# Altium PCB RTM_SFP.PcbDoc (part 11 of 17) (continued)
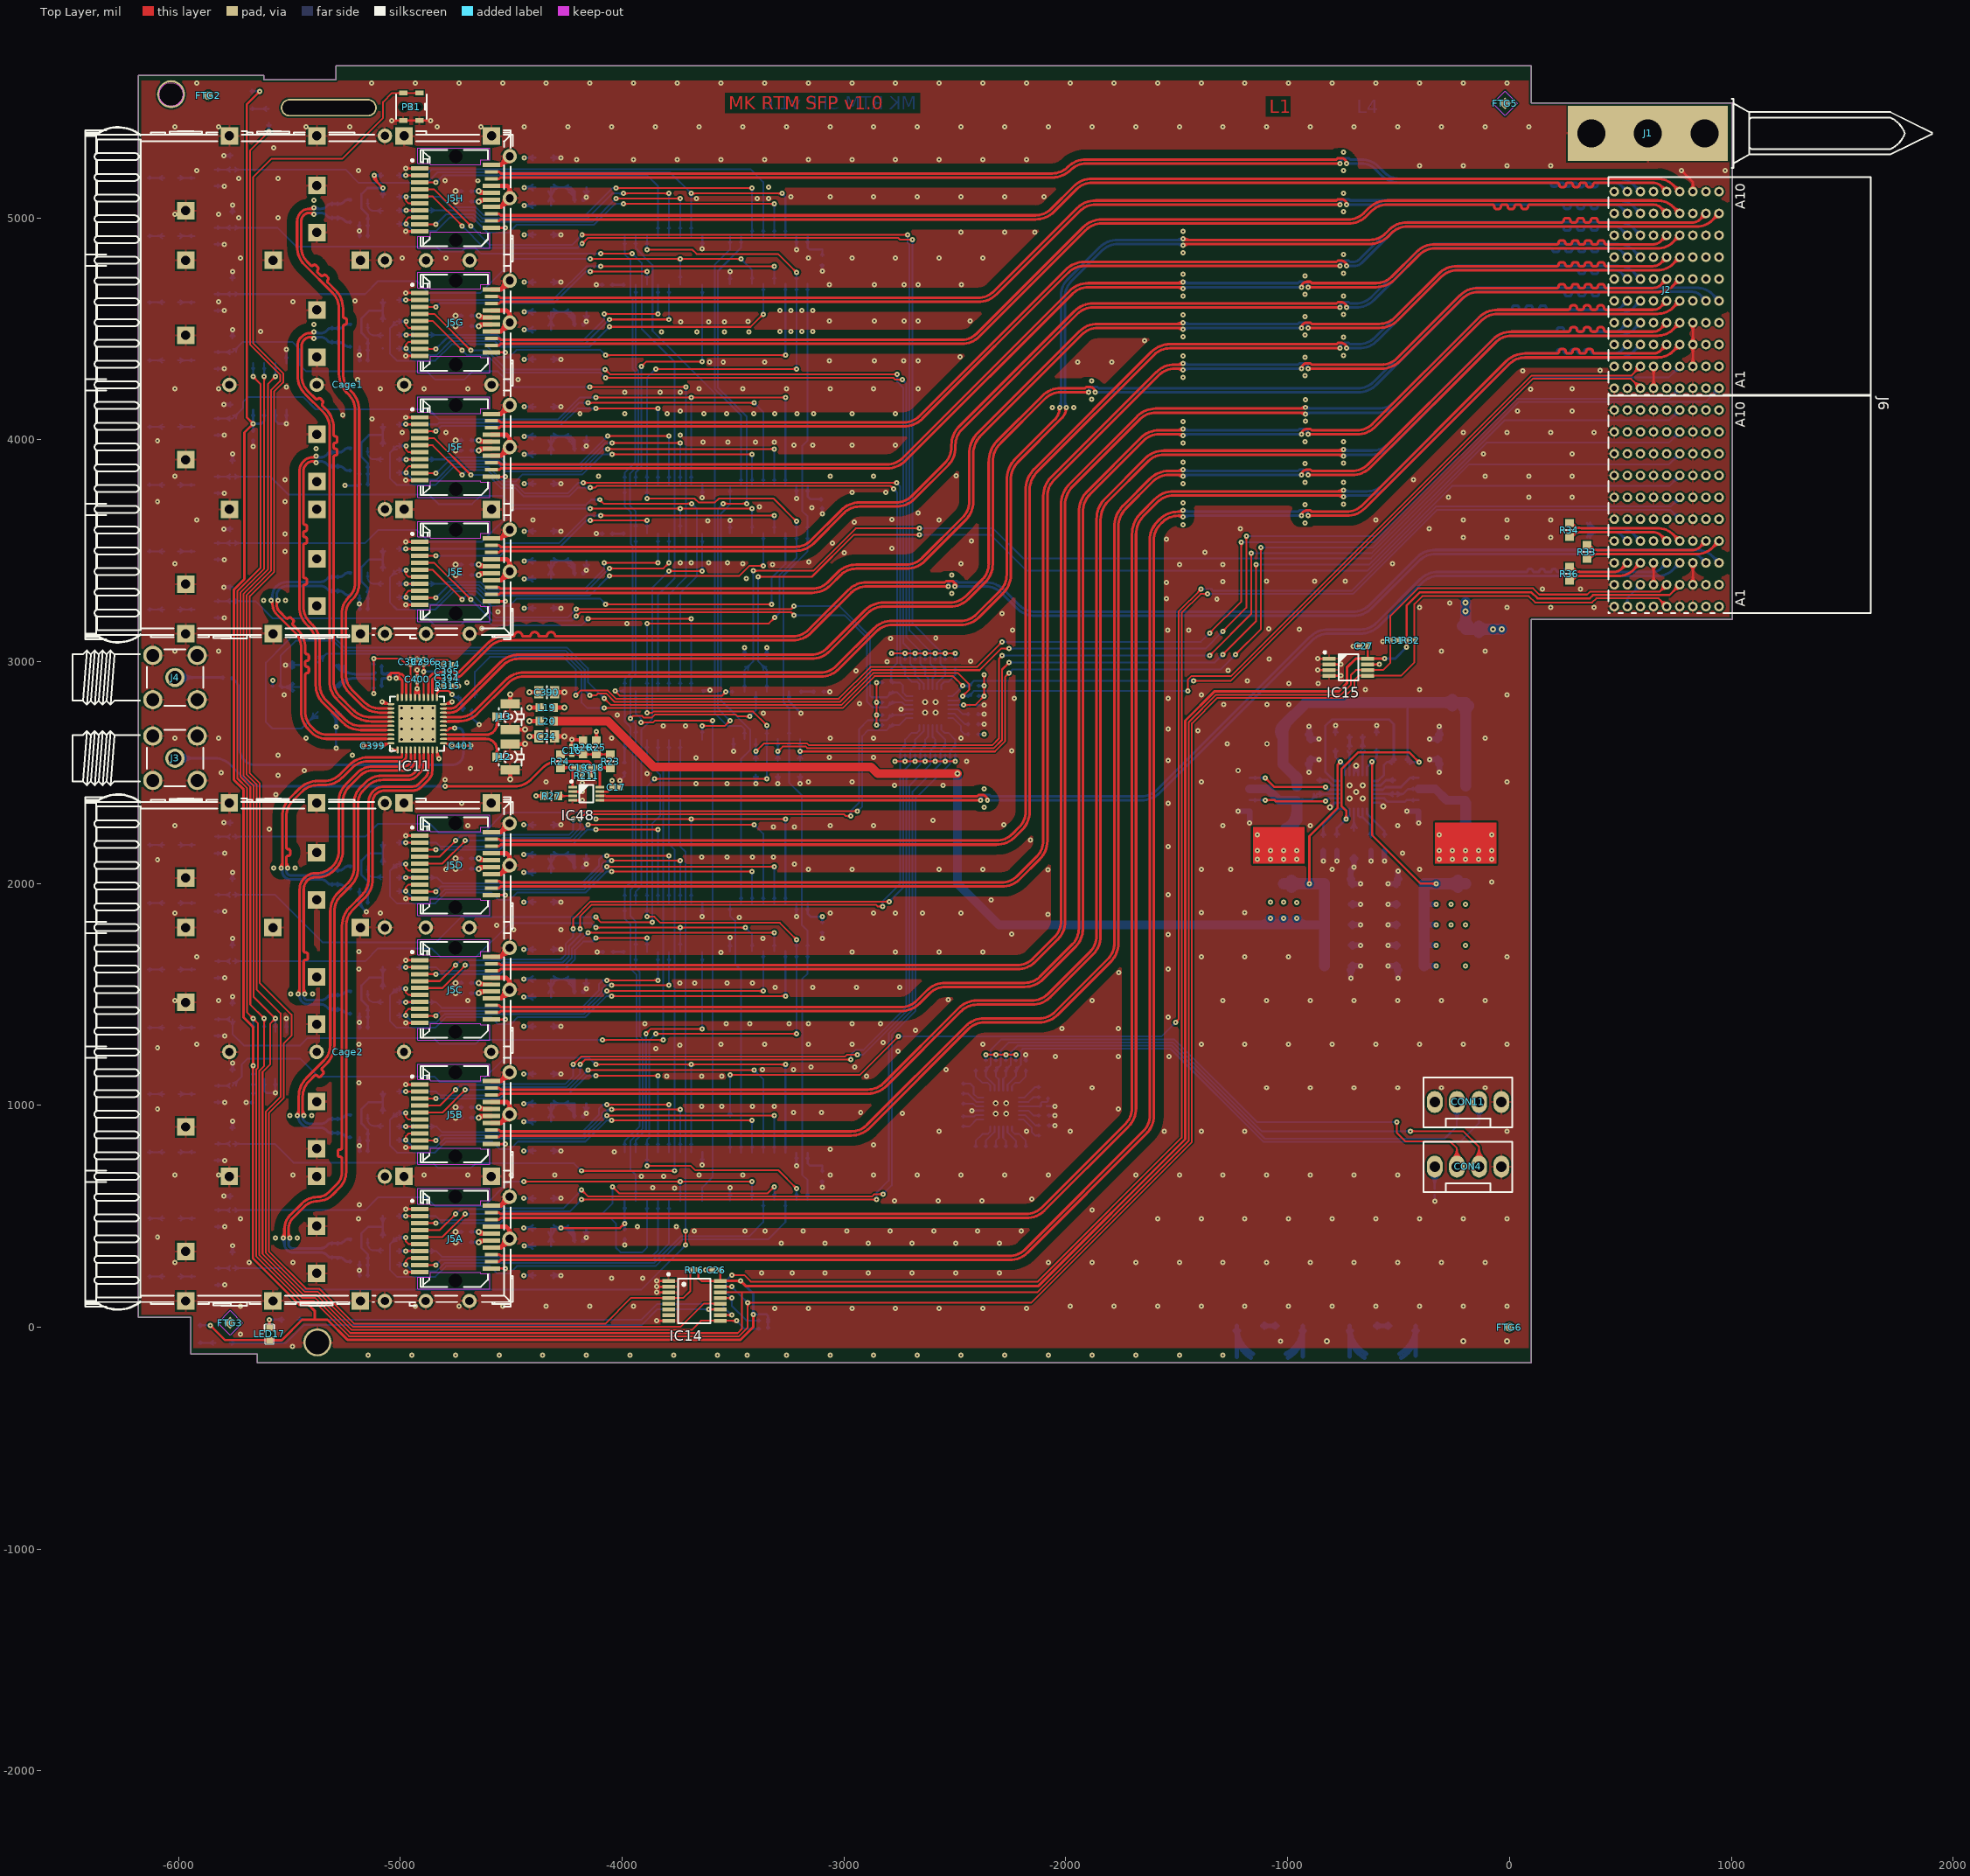
[diagram p0: Top Layer view]
## Nets (pads, with @x,y where several pads share a name; then routed paths per layer and width w, separated by ;. In a path a pad name is that pad's centre, name@x,y a point inside that pad or via, vN(x,y) a via of type N, cw(c..) or ccw(c..) an arc to the next point about the centre after c; other vN are vias at no path point) (continued)
  Bottom Layer w12: v1(-1471.73,4498.43) -1465.92,4504.24 v1@-943.61,4504.24 ; v1@-1467.86,4502.76 ccw(c-1460.65,4510.83) -1455.24,4501.46 ; v1@-1467.86,4502.76 ccw(c-1460.65,4510.83) -1455.24,4501.46 ; v1@-1467.86,4502.76 ccw(c-1460.65,4510.83) -1455.24,4501.46 ; v1@-1467.62,4494.32 cw(c-1443.67,4470.37) -1443.67,4504.24 ; v1@-1467.62,4494.32 cw(c-1443.67,4470.37) -1443.67,4504.24 ; v1@-1467.62,4494.32 cw(c-1443.67,4470.37) -1443.67,4504.24 ; -951.82,4504.24 cw(c-951.82,4490.21) v1@-941.9,4500.13 ; -951.82,4504.24 ccw(c-951.82,4518.27) v1@-941.9,4508.35 ; -951.82,4504.24 cw(c-951.82,4490.21) v1@-941.9,4500.13 ; -951.82,4504.24 ccw(c-951.82,4518.27) v1@-941.9,4508.35 ; -951.82,4504.24 ccw(c-951.82,4518.27) v1@-941.9,4508.35 ; -951.82,4504.24 cw(c-951.82,4490.21) v1@-941.9,4500.13
SFP4RX_P: J2.C7 J5E.13 | length 6627.6
  Top Layer w12: J5E.13@-4589.58,3334.9 -4553.96,3334.9 -4547.21,3328.15 -3143.98,3328.15 ccw(c-3143.98,3428.15) -3073.27,3357.44 -3027.96,3402.75 cw(c-2945.52,3320.32) -2945.52,3436.9 -2719.48,3436.9 ccw(c-2719.48,3536.9) -2648.77,3466.19 -2465.01,3649.95 ccw(c-2535.72,3720.67) -2435.72,3720.67 -2435.72,3936.48 cw(c-2302.17,3936.48) -2396.6,4030.92 -1939.72,4487.8 cw(c-1856.57,4404.65) -1856.57,4522.24 -1477.54,4522.24 v1(-1471.73,4528.05) ; v1(-907.87,4504.24) -586.59,4504.24 ccw(c-586.59,4622.77) -502.78,4538.95 -306.74,4734.99 cw(c-236.03,4664.28) -236.03,4764.28 667.74,4764.28 ccw(c667.74,4864.28) 738.45,4793.57 J2.C7@767.72,4822.83 ; -1499.79,4522.24 ccw(c-1499.79,4556.11) v1@-1475.84,4532.16 ; -1499.79,4522.24 ccw(c-1499.79,4556.11) v1@-1475.84,4532.16 ; -1499.79,4522.24 ccw(c-1499.79,4556.11) v1@-1475.84,4532.16 ; -1488.21,4525.01 cw(c-1482.8,4515.64) v1@-1475.6,4523.71 ; -1488.21,4525.01 cw(c-1482.8,4515.64) v1@-1475.6,4523.71 ; -1488.21,4525.01 cw(c-1482.8,4515.64) v1@-1475.6,4523.71 ; v1@-903.76,4500.13 cw(c-893.84,4490.21) -893.84,4504.24 ; v1@-903.76,4500.13 cw(c-893.84,4490.21) -893.84,4504.24 ; v1@-903.76,4500.13 cw(c-893.84,4490.21) -893.84,4504.24 ; v1@-903.76,4508.35 ccw(c-893.84,4518.27) -893.84,4504.24 ; v1@-903.76,4508.35 ccw(c-893.84,4518.27) -893.84,4504.24 ; v1@-903.76,4508.35 ccw(c-893.84,4518.27) -893.84,4504.24 ; 740.99,4796.11 cw(c767.72,4769.39) 767.72,4807.18 ccw(c767.72,4769.39) 740.99,4796.11 ; 740.99,4796.11 ccw(c714.27,4822.83) 752.06,4822.83 cw(c714.27,4822.83) 740.99,4796.11
  Bottom Layer w12: v1(-1471.73,4528.05) -1465.92,4522.24 -953.47,4522.24 -947.66,4528.05 -931.68,4528.05 cw(c-931.68,4504.24) v1(-907.87,4504.24) ; v1@-1467.86,4523.71 cw(c-1460.65,4515.64) -1455.24,4525.01 ; v1@-1467.86,4523.71 cw(c-1460.65,4515.64) -1455.24,4525.01 ; v1@-1467.86,4523.71 cw(c-1460.65,4515.64) -1455.24,4525.01 ; v1@-1467.62,4532.16 ccw(c-1443.67,4556.11) -1443.67,4522.24 ; v1@-1467.62,4532.16 ccw(c-1443.67,4556.11) -1443.67,4522.24 ; v1@-1467.62,4532.16 ccw(c-1443.67,4556.11) -1443.67,4522.24 ; v1@-912.61,4507.61 ccw(c-920.88,4513.51) -911.06,4516.14 ; v1@-912.61,4507.61 ccw(c-920.88,4513.51) -911.06,4516.14 ; v1@-912.61,4507.61 ccw(c-920.88,4513.51) -911.06,4516.14 ; -911.06,4516.14 ccw(c-901.25,4518.77) v1@-905.46,4509.52 ; -911.06,4516.14 ccw(c-901.25,4518.77) v1@-905.46,4509.52 ; -911.06,4516.14 ccw(c-901.25,4518.77) v1@-905.46,4509.52
SFP4TX_N: J2.F7 J5E.19 | length 6046
  Top Layer w12: J5E.19@-4589.58,3523.87 -4553.96,3523.87 -4547.21,3517.13 -3219.44,3517.13 ccw(c-3219.44,3617.13) -3148.73,3546.42 -3012.38,3682.76 cw(c-2929.88,3600.26) -2929.88,3716.93 -2765.3,3716.93 ccw(c-2765.3,3816.93) -2694.59,3746.22 -2545.01,3895.8 ccw(c-2615.72,3966.52) -2515.72,3966.52 -2515.72,3976.13 cw(c-2397.88,3976.13) -2481.2,4059.45 -1960.98,4579.67 cw(c-1877.69,4496.39) -1877.69,4614.17 -779.94,4614.17 -774.24,4619.87 -758.27,4619.87 cw(c-758.27,4596.06) v1(-734.46,4596.06) ; v1@-739.19,4599.44 ccw(c-747.47,4605.34) -737.65,4607.97 ; v1@-739.19,4599.44 ccw(c-747.47,4605.34) -737.65,4607.97 ; v1@-739.19,4599.44 ccw(c-747.47,4605.34) -737.65,4607.97 ; -737.65,4607.97 ccw(c-727.83,4610.6) v1@-732.05,4601.35 ; -737.65,4607.97 ccw(c-727.83,4610.6) v1@-732.05,4601.35 ; -737.65,4607.97 ccw(c-727.83,4610.6) v1@-732.05,4601.35
  Bottom Layer w12: v1@-728.65,4596.06 -692.93,4596.06 ccw(c-692.93,4713.97) -609.56,4630.6 -406.06,4834.1 cw(c-335.35,4763.39) -335.35,4863.39 186.22,4863.39 cw(c186.22,4855.32) 194.29,4855.32 ccw(c203.54,4855.32) 203.54,4846.06 214.37,4846.07 ccw(c214.37,4855.32) 223.62,4855.32 cw(c231.69,4855.32) 231.69,4863.39 244.69,4863.39 cw(c244.69,4855.32) 252.76,4855.32 ccw(c262.01,4855.32) 262.01,4846.07 272.83,4846.07 ccw(c272.83,4855.32) 282.09,4855.32 cw(c290.15,4855.32) 290.15,4863.39 303.15,4863.39 cw(c303.15,4855.32) 311.22,4855.32 ccw(c320.47,4855.32) 320.47,4846.07 331.3,4846.07 ccw(c331.3,4855.32) 340.55,4855.32 cw(c348.62,4855.32) 348.62,4863.39 361.61,4863.39 cw(c361.61,4855.32) 369.69,4855.32 ccw(c378.94,4855.32) 378.94,4846.06 389.76,4846.06 ccw(c389.76,4855.32) 399.02,4855.32 cw(c407.09,4855.32) 407.09,4863.39 470.04,4863.39 cw(c470.04,4812.91) 505.73,4848.6 ; J2.F7@531.5,4822.83 505.73,4848.6 ; v1@-730.35,4591.95 cw(c-720.43,4582.03) -720.43,4596.06 ; v1@-730.35,4591.95 cw(c-720.43,4582.03) -720.43,4596.06 ; v1@-730.35,4591.95 cw(c-720.43,4582.03) -720.43,4596.06 ; v1@-730.35,4600.17 ccw(c-720.43,4610.09) -720.43,4596.06 ; v1@-730.35,4600.17 ccw(c-720.43,4610.09) -720.43,4596.06 ; v1@-730.35,4600.17 ccw(c-720.43,4610.09) -720.43,4596.06 ; 505.73,4848.6 cw(c481.27,4824.14) 515.85,4823.24 ccw(c481.27,4824.14) 505.73,4848.6 ; 505.73,4848.6 ccw(c530.19,4873.06) 531.09,4838.48 cw(c530.19,4873.06) 505.73,4848.6
SFP4TX_P: J2.E7 J5E.18 | length 6050.9
  Top Layer w12: J5E.18@-4589.58,3492.38 -4553.96,3492.38 -4547.21,3499.13 -3218.88,3499.13 ccw(c-3218.88,3615.79) -3136.39,3533.3 -3000.05,3669.64 cw(c-2929.33,3598.93) -2929.33,3698.93 -2765.29,3698.93 ccw(c-2765.29,3816.89) -2681.88,3733.48 -2532.11,3883.24 ccw(c-2615.15,3966.28) -2497.72,3966.28 -2497.72,3976.06 cw(c-2397.72,3976.06) -2468.43,4046.77 -1948.32,4566.88 cw(c-1877.6,4496.17) -1877.6,4596.17 v1@-764.38,4596.17 ; -778.67,4596.17 cw(c-778.67,4581.77) v1@-768.49,4591.95 ; -778.67,4596.17 cw(c-778.67,4581.77) v1@-768.49,4591.95 ; -778.67,4596.17 cw(c-778.67,4581.77) v1@-768.49,4591.95 ; -778.14,4596.17 ccw(c-778.14,4609.83) v1@-768.49,4600.17 ; -778.14,4596.17 ccw(c-778.14,4609.83) v1@-768.49,4600.17 ; -778.14,4596.17 ccw(c-778.14,4609.83) v1@-768.49,4600.17
  Bottom Layer w12: v1(-764.38,4596.06) cw(c-740.57,4596.06) -740.57,4619.87 -724.59,4619.87 -718.78,4614.06 -692.97,4614.06 ccw(c-692.97,4714.06) -622.26,4643.35 -418.65,4846.96 cw(c-335.54,4763.84) -335.54,4881.39 ; -342.81,4881.39 490.58,4881.39 cw(c490.58,4781.39) 561.29,4852.1 J2.E7@590.55,4822.83 ; v1@-766.79,4601.35 ccw(c-771.01,4610.6) -761.19,4607.97 ; v1@-766.79,4601.35 ccw(c-771.01,4610.6) -761.19,4607.97 ; v1@-766.79,4601.35 ccw(c-771.01,4610.6) -761.19,4607.97 ; -761.19,4607.97 ccw(c-751.37,4605.34) v1@-759.65,4599.44 ; -761.19,4607.97 ccw(c-751.37,4605.34) v1@-759.65,4599.44 ; -761.19,4607.97 ccw(c-751.37,4605.34) v1@-759.65,4599.44 ; 563.83,4849.56 cw(c537.11,4822.83) 574.9,4822.83 ccw(c537.11,4822.83) 563.83,4849.56 ; 563.83,4849.56 ccw(c590.55,4876.28) 590.55,4838.49 cw(c590.55,4876.28) 563.83,4849.56
SFP5RX_N: J2.D6 J5D.12 | length 7923.5
  Top Layer w12: J5D.12@-4590.14,1979.38 -4554.35,1979.38 -4547.61,1986.13 -2289.26,1986.13 ccw(c-2289.26,2102.21) -2207.17,2020.13 -2116.85,2110.45 ccw(c-2197.38,2190.98) -2083.5,2190.98 -2083.5,3746.73 cw(c-1983.5,3746.73) -2054.21,3817.44 -1580.33,4291.31 cw(c-1509.62,4220.6) -1509.62,4320.6 -1477.07,4320.6 v1(-1471.26,4314.79) ; v1(-937.33,4320.6) cw(c-913.52,4320.6) -913.52,4344.41 -897.54,4344.41 -891.73,4338.6 -577.23,4338.6 ccw(c-577.23,4438.6) -506.52,4367.89 -225.1,4649.31 cw(c-141.69,4565.9) -141.69,4683.86 213.59,4683.86 ccw(c213.58,4691.93) 221.65,4691.93 cw(c230.12,4691.93) 230.12,4700.4 242.52,4700.4 cw(c242.52,4691.93) 250.98,4691.93 ccw(c259.06,4691.93) 259.06,4683.86 ; 260.63,4683.86 273.62,4683.87 ccw(c273.62,4691.94) 281.69,4691.94 cw(c290.16,4691.94) 290.16,4700.4 302.56,4700.4 cw(c302.56,4691.94) 311.02,4691.94 ccw(c319.09,4691.94) 319.09,4683.87 332.09,4683.86 ccw(c332.09,4691.94) 340.16,4691.94 cw(c348.62,4691.94) 348.62,4700.4 361.02,4700.4 cw(c361.02,4691.94) 369.49,4691.94 ccw(c377.56,4691.94) 377.56,4683.86 390.55,4683.86 ccw(c390.55,4691.93) 398.62,4691.93 cw(c407.09,4691.93) 407.09,4700.4 419.49,4700.4 cw(c419.49,4691.93) 427.95,4691.93 ccw(c436.02,4691.93) 436.02,4683.86 647.2,4683.86 ccw(c647.2,4734.33) 682.89,4698.64 ; J2.D6@708.66,4724.41 682.89,4698.64 ; -1499.32,4320.6 cw(c-1499.32,4286.73) v1@-1475.37,4310.68 ; -1499.32,4320.6 cw(c-1499.32,4286.73) v1@-1475.37,4310.68 ; -1499.32,4320.6 cw(c-1499.32,4286.73) v1@-1475.37,4310.68 ; -1487.74,4317.82 ccw(c-1482.33,4327.19) v1@-1475.13,4319.12 ; -1487.74,4317.82 ccw(c-1482.33,4327.19) v1@-1475.13,4319.12 ; -1487.74,4317.82 ccw(c-1482.33,4327.19) v1@-1475.13,4319.12 ; v1@-939.74,4325.89 ccw(c-943.96,4335.13) -934.14,4332.5 ; v1@-939.74,4325.89 ccw(c-943.96,4335.13) -934.14,4332.5 ; v1@-939.74,4325.89 ccw(c-943.96,4335.13) -934.14,4332.5 ; -934.14,4332.5 ccw(c-924.32,4329.87) v1@-932.6,4323.97 ; -934.14,4332.5 ccw(c-924.32,4329.87) v1@-932.6,4323.97 ; -934.14,4332.5 ccw(c-924.32,4329.87) v1@-932.6,4323.97 ; 682.89,4698.64 cw(c707.35,4674.19) 708.25,4708.76 ccw(c707.35,4674.19) 682.89,4698.64 ; 682.89,4698.64 ccw(c658.44,4723.1) 693.01,4724 cw(c658.44,4723.1) 682.89,4698.64
  Bottom Layer w12: v1(-1471.26,4314.79) -1465.45,4320.6 v1@-943.14,4320.6 ; v1@-1467.39,4319.12 ccw(c-1460.18,4327.19) -1454.77,4317.82 ; v1@-1467.39,4319.12 ccw(c-1460.18,4327.19) -1454.77,4317.82 ; v1@-1467.39,4319.12 ccw(c-1460.18,4327.19) -1454.77,4317.82 ; v1@-1467.15,4310.68 cw(c-1443.2,4286.73) -1443.2,4320.6 ; v1@-1467.15,4310.68 cw(c-1443.2,4286.73) -1443.2,4320.6 ; v1@-1467.15,4310.68 cw(c-1443.2,4286.73) -1443.2,4320.6 ; -951.36,4320.6 cw(c-951.36,4306.57) v1@-941.44,4316.49 ; -951.36,4320.6 ccw(c-951.36,4334.63) v1@-941.44,4324.71 ; -951.36,4320.6 cw(c-951.36,4306.57) v1@-941.44,4316.49 ; -951.36,4320.6 ccw(c-951.36,4334.63) v1@-941.44,4324.71 ; -951.36,4320.6 ccw(c-951.36,4334.63) v1@-941.44,4324.71 ; -951.36,4320.6 cw(c-951.36,4306.57) v1@-941.44,4316.49
SFP5RX_P: J2.C6 J5D.13 | length 7926.1
  Top Layer w12: J5D.13@-4590.14,2010.87 -4554.35,2010.87 -4547.61,2004.13 -2290.05,2004.13 ccw(c-2290.05,2104.13) -2219.34,2033.42 -2130.79,2121.97 ccw(c-2201.5,2192.68) -2101.5,2192.68 -2101.5,3747.22 cw(c-1984.69,3747.22) -2067.33,3829.77 ; -2067.29,3829.81 -1592.78,4304.32 cw(c-1510.02,4221.56) -1510.02,4338.6 -1477.07,4338.6 v1(-1471.26,4344.41) ; -2066.98,3830.12 cw(c-1983.5,3746.73) -2066.94,3830.16 ; v1(-907.41,4320.6) -576.66,4320.6 ccw(c-576.66,4437.21) -494.2,4354.75 -212.38,4636.57 cw(c-141.67,4565.86) -141.67,4665.86 667.74,4665.86 ccw(c667.74,4765.86) 738.45,4695.15 J2.C6@767.72,4724.41 ; -1499.32,4338.6 ccw(c-1499.32,4372.47) v1@-1475.37,4348.52 ; -1499.32,4338.6 ccw(c-1499.32,4372.47) v1@-1475.37,4348.52 ; -1499.32,4338.6 ccw(c-1499.32,4372.47) v1@-1475.37,4348.52 ; -1487.74,4341.37 cw(c-1482.33,4332) v1@-1475.13,4340.07 ; -1487.74,4341.37 cw(c-1482.33,4332) v1@-1475.13,4340.07 ; -1487.74,4341.37 cw(c-1482.33,4332) v1@-1475.13,4340.07 ; v1@-903.3,4316.49 cw(c-893.38,4306.57) -893.38,4320.6 ; v1@-903.3,4316.49 cw(c-893.38,4306.57) -893.38,4320.6 ; v1@-903.3,4316.49 cw(c-893.38,4306.57) -893.38,4320.6 ; v1@-903.3,4324.71 ccw(c-893.38,4334.63) -893.38,4320.6 ; v1@-903.3,4324.71 ccw(c-893.38,4334.63) -893.38,4320.6 ; v1@-903.3,4324.71 ccw(c-893.38,4334.63) -893.38,4320.6 ; 740.99,4697.69 cw(c767.72,4670.97) 767.72,4708.76 ccw(c767.72,4670.97) 740.99,4697.69 ; 740.99,4697.69 ccw(c714.27,4724.41) 752.06,4724.41 cw(c714.27,4724.41) 740.99,4697.69
  Bottom Layer w12: v1(-1471.26,4344.41) -1465.45,4338.6 -953,4338.6 -947.19,4344.41 -931.22,4344.41 cw(c-931.22,4320.6) v1(-907.41,4320.6) ; v1@-1467.39,4340.07 cw(c-1460.18,4332) -1454.77,4341.37 ; v1@-1467.39,4340.07 cw(c-1460.18,4332) -1454.77,4341.37 ; v1@-1467.39,4340.07 cw(c-1460.18,4332) -1454.77,4341.37 ; v1@-1467.15,4348.52 ccw(c-1443.2,4372.47) -1443.2,4338.6 ; v1@-1467.15,4348.52 ccw(c-1443.2,4372.47) -1443.2,4338.6 ; v1@-1467.15,4348.52 ccw(c-1443.2,4372.47) -1443.2,4338.6 ; v1@-912.14,4323.97 ccw(c-920.41,4329.87) -910.6,4332.5 ; v1@-912.14,4323.97 ccw(c-920.41,4329.87) -910.6,4332.5 ; v1@-912.14,4323.97 ccw(c-920.41,4329.87) -910.6,4332.5 ; -910.6,4332.5 ccw(c-900.78,4335.13) v1@-904.99,4325.89 ; -910.6,4332.5 ccw(c-900.78,4335.13) v1@-904.99,4325.89 ; -910.6,4332.5 ccw(c-900.78,4335.13) v1@-904.99,4325.89
SFP5TX_N: J2.F6 J5D.19 | length 7400.8
  Top Layer w12: J5D.19@-4590.14,2199.85 -4554.35,2199.85 -4547.61,2193.1 -2312.49,2193.1 ccw(c-2312.49,2293.1) -2241.78,2222.39 -2210.79,2253.39 ccw(c-2281.5,2324.1) -2181.5,2324.1 ; -2181.5,2354.33 -2181.5,2324.1 ; v1(-734.35,4412.31) ccw(c-758.16,4412.31) -758.16,4436.13 -774.13,4436.13 -779.94,4430.31 -1531.66,4430.31 ccw(c-1531.66,4313.79) -1614.05,4396.19 -2142.11,3868.12 ccw(c-2047.03,3773.04) -2181.5,3773.04 -2181.5,2324.1 ; v1@-739.08,4415.69 ccw(c-747.36,4421.59) -737.54,4424.22 ; v1@-739.08,4415.69 ccw(c-747.36,4421.59) -737.54,4424.22 ; v1@-739.08,4415.69 ccw(c-747.36,4421.59) -737.54,4424.22 ; -737.54,4424.22 ccw(c-727.72,4426.85) v1@-731.94,4417.6 ; -737.54,4424.22 ccw(c-727.72,4426.85) v1@-731.94,4417.6 ; -737.54,4424.22 ccw(c-727.72,4426.85) v1@-731.94,4417.6
  Bottom Layer w12: v1@-728.54,4412.31 -678.59,4412.31 ccw(c-678.59,4530.07) -595.32,4446.8 -306.45,4735.67 cw(c-235.74,4664.96) -235.74,4764.96 303.15,4764.96 cw(c303.15,4756.89) 311.22,4756.89 ccw(c320.47,4756.89) 320.47,4747.64 331.3,4747.64 ccw(c331.3,4756.89) 340.55,4756.89 cw(c348.62,4756.89) 348.62,4764.96 361.61,4764.96 cw(c361.61,4756.89) 369.68,4756.89 ccw(c378.94,4756.89) 378.94,4747.64 389.76,4747.64 ccw(c389.76,4756.89) 399.02,4756.89 cw(c407.09,4756.89) 407.09,4764.96 470.04,4764.96 cw(c470.04,4714.49) 505.73,4750.18 ; J2.F6@531.5,4724.41 505.73,4750.18 ; v1@-730.24,4408.21 cw(c-720.32,4398.29) -720.32,4412.32 ; v1@-730.24,4408.21 cw(c-720.32,4398.29) -720.32,4412.32 ; v1@-730.24,4408.21 cw(c-720.32,4398.29) -720.32,4412.32 ; v1@-730.24,4416.42 ccw(c-720.32,4426.34) -720.32,4412.31 ; v1@-730.24,4416.42 ccw(c-720.32,4426.34) -720.32,4412.31 ; v1@-730.24,4416.42 ccw(c-720.32,4426.34) -720.32,4412.31 ; 505.73,4750.18 cw(c481.27,4725.72) 515.85,4724.82 ccw(c481.27,4725.72) 505.73,4750.18 ; 505.73,4750.18 ccw(c530.19,4774.63) 531.09,4740.06 cw(c530.19,4774.63) 505.73,4750.18
SFP5TX_P: J2.E6 J5D.18 | length 7407.6
  Top Layer w12: J5D.18@-4590.14,2168.36 -4554.35,2168.36 -4547.61,2175.1 -2312.45,2175.1 ccw(c-2312.45,2293.01) -2229.08,2209.64 -2197.79,2240.93 ccw(c-2280.57,2323.72) -2163.5,2323.72 -2163.5,3772.41 cw(c-2045.5,3772.41) -2128.94,3855.84 -1601.75,4383.03 cw(c-1531.04,4312.31) -1531.04,4412.31 v1(-764.27,4412.31) ; -778.3,4412.32 cw(c-778.3,4398.29) v1@-768.38,4408.21 ; -778.3,4412.31 ccw(c-778.3,4426.34) v1@-768.38,4416.42 ; -778.3,4412.32 cw(c-778.3,4398.29) v1@-768.38,4408.21 ; -778.3,4412.31 ccw(c-778.3,4426.34) v1@-768.38,4416.42 ; -778.3,4412.31 ccw(c-778.3,4426.34) v1@-768.38,4416.42 ; -778.3,4412.32 cw(c-778.3,4398.29) v1@-768.38,4408.21
  Bottom Layer w12: v1(-764.27,4412.31) cw(c-740.46,4412.31) -740.46,4436.13 -724.48,4436.13 -718.67,4430.31 -678.69,4430.31 ccw(c-678.69,4530.31) -607.98,4459.6 -318.96,4748.62 cw(c-236.06,4665.73) -236.06,4782.96 490.58,4782.96 cw(c490.58,4682.96) 561.29,4753.67 J2.E6@590.55,4724.41 ; v1@-766.68,4417.6 ccw(c-770.9,4426.85) -761.08,4424.22 ; v1@-766.68,4417.6 ccw(c-770.9,4426.85) -761.08,4424.22 ; v1@-766.68,4417.6 ccw(c-770.9,4426.85) -761.08,4424.22 ; -761.08,4424.22 ccw(c-751.26,4421.59) v1@-759.54,4415.69 ; -761.08,4424.22 ccw(c-751.26,4421.59) v1@-759.54,4415.69 ; -761.08,4424.22 ccw(c-751.26,4421.59) v1@-759.54,4415.69 ; 563.83,4751.13 cw(c537.11,4724.41) 574.9,4724.41 ccw(c537.11,4724.41) 563.83,4751.13 ; 563.83,4751.13 ccw(c590.55,4777.85) 590.55,4740.06 cw(c590.55,4777.85) 563.83,4751.13
SFP6RX_N: J2.D5 J5C.12 | length 8292.5
  Top Layer w12: J5C.12@-4590.14,1418.35 -4554.35,1418.35 -4547.61,1425.1 -2741.77,1425.1 ccw(c-2741.77,1541.55) -2659.43,1459.21 -2613.91,1504.73 cw(c-2543.2,1434.02) -2543.2,1534.02 -2185.13,1534.02 ccw(c-2185.13,1650.25) -2102.94,1568.06 -1957.15,1713.85 ccw(c-2038.4,1795.1) -1923.5,1795.1 -1923.5,3673 cw(c-1805.5,3673) -1888.94,3756.43 -1650.25,3995.12 cw(c-1579.54,3924.41) -1579.54,4024.41 -1477.07,4024.41 v1(-1471.26,4018.6) ; v1(-937.33,4024.41) cw(c-913.52,4024.41) -913.52,4048.22 -897.54,4048.22 -891.73,4042.41 -687.85,4042.41 ccw(c-687.85,4142.41) -617.14,4071.7 -137.58,4551.26 cw(c-55.08,4468.76) -55.08,4585.43 263.98,4585.43 ccw(c263.78,4595.47) 273.82,4595.47 cw(c283.66,4595.47) 283.66,4605.32 293.7,4605.32 cw(c293.7,4595.47) 303.54,4595.47 ccw(c313.58,4595.47) 313.58,4585.43 325.2,4585.44 ccw(c325,4595.47) 335.04,4595.47 cw(c344.88,4595.47) 344.88,4605.32 354.92,4605.32 cw(c354.92,4595.47) 364.76,4595.47 ccw(c374.8,4595.47) 374.8,4585.43 386.42,4585.44 ccw(c386.22,4595.47) 396.26,4595.47 cw(c406.1,4595.47) 406.1,4605.32 416.14,4605.32 cw(c416.14,4595.47) 425.98,4595.47 ccw(c436.02,4595.47) 436.02,4585.43 647.2,4585.43 ccw(c647.2,4635.91) 682.89,4600.22 ; J2.D5@708.66,4625.98 682.89,4600.22 ; -1499.32,4024.41 cw(c-1499.32,3990.54) v1@-1475.37,4014.49 ; -1499.32,4024.41 cw(c-1499.32,3990.54) v1@-1475.37,4014.49 ; -1499.32,4024.41 cw(c-1499.32,3990.54) v1@-1475.37,4014.49 ; -1487.74,4021.63 ccw(c-1482.34,4031) v1@-1475.13,4022.93 ; -1487.74,4021.63 ccw(c-1482.34,4031) v1@-1475.13,4022.93 ; -1487.74,4021.63 ccw(c-1482.34,4031) v1@-1475.13,4022.93 ; v1@-939.74,4029.7 ccw(c-943.96,4038.95) -934.14,4036.31 ; v1@-939.74,4029.7 ccw(c-943.96,4038.95) -934.14,4036.31 ; v1@-939.74,4029.7 ccw(c-943.96,4038.95) -934.14,4036.31 ; -934.14,4036.31 ccw(c-924.32,4033.68) v1@-932.6,4027.78 ; -934.14,4036.31 ccw(c-924.32,4033.68) v1@-932.6,4027.78 ; -934.14,4036.31 ccw(c-924.32,4033.68) v1@-932.6,4027.78 ; 682.89,4600.22 cw(c707.35,4575.76) 708.25,4610.34 ccw(c707.35,4575.76) 682.89,4600.22 ; 682.89,4600.22 ccw(c658.44,4624.67) 693.01,4625.58 cw(c658.44,4624.67) 682.89,4600.22
  Bottom Layer w12: v1(-1471.26,4018.6) -1465.45,4024.41 v1@-943.14,4024.41 ; v1@-1467.39,4022.93 ccw(c-1460.18,4031) -1454.77,4021.63 ; v1@-1467.39,4022.93 ccw(c-1460.18,4031) -1454.77,4021.63 ; v1@-1467.39,4022.93 ccw(c-1460.18,4031) -1454.77,4021.63 ; v1@-1467.15,4014.49 cw(c-1443.2,3990.54) -1443.2,4024.41 ; v1@-1467.15,4014.49 cw(c-1443.2,3990.54) -1443.2,4024.41 ; v1@-1467.15,4014.49 cw(c-1443.2,3990.54) -1443.2,4024.41 ; -951.36,4024.41 cw(c-951.36,4010.38) v1@-941.44,4020.3 ; -951.36,4024.41 ccw(c-951.36,4038.44) v1@-941.44,4028.52 ; -951.36,4024.41 cw(c-951.36,4010.38) v1@-941.44,4020.3 ; -951.36,4024.41 ccw(c-951.36,4038.44) v1@-941.44,4028.52 ; -951.36,4024.41 ccw(c-951.36,4038.44) v1@-941.44,4028.52 ; -951.36,4024.41 cw(c-951.36,4010.38) v1@-941.44,4020.3
SFP6RX_P: J2.C5 J5C.13 | length 8301.1
  Top Layer w12: J5C.13@-4590.14,1449.85 -4554.35,1449.85 -4547.61,1443.1 -2742.41,1443.1 ccw(c-2742.41,1543.1) -2671.7,1472.39 -2626.53,1517.57 cw(c-2543.36,1434.41) -2543.36,1552.02 -2185.86,1552.02 ccw(c-2185.86,1652.02) -2115.15,1581.31 -1970.79,1725.67 ccw(c-2041.5,1796.38) -1941.5,1796.38 -1941.5,3674.64 cw(c-1809.47,3674.64) -1902.83,3768 -1662.51,4008.32 cw(c-1580.21,3926.02) -1580.21,4042.41 -1477.07,4042.41 v1(-1471.26,4048.22) ; v1(-907.41,4024.41) -687.07,4024.41 ccw(c-687.07,4140.51) -604.97,4058.41 -125.24,4538.14 cw(c-54.53,4467.43) -54.53,4567.43 667.74,4567.43 ccw(c667.74,4667.43) 738.45,4596.72 J2.C5@767.72,4625.98 ; -1499.32,4042.41 ccw(c-1499.32,4076.28) v1@-1475.37,4052.33 ; -1499.32,4042.41 ccw(c-1499.32,4076.28) v1@-1475.37,4052.33 ; -1499.32,4042.41 ccw(c-1499.32,4076.28) v1@-1475.37,4052.33 ; -1487.74,4045.18 cw(c-1482.34,4035.81) v1@-1475.13,4043.89 ; -1487.74,4045.18 cw(c-1482.34,4035.81) v1@-1475.13,4043.89 ; -1487.74,4045.18 cw(c-1482.34,4035.81) v1@-1475.13,4043.89 ; v1@-903.3,4020.3 cw(c-893.38,4010.38) -893.38,4024.41 ; v1@-903.3,4020.3 cw(c-893.38,4010.38) -893.38,4024.41 ; v1@-903.3,4020.3 cw(c-893.38,4010.38) -893.38,4024.41 ; v1@-903.3,4028.52 ccw(c-893.38,4038.44) -893.38,4024.41 ; v1@-903.3,4028.52 ccw(c-893.38,4038.44) -893.38,4024.41 ; v1@-903.3,4028.52 ccw(c-893.38,4038.44) -893.38,4024.41 ; 740.99,4599.26 cw(c767.72,4572.54) 767.72,4610.33 ccw(c767.72,4572.54) 740.99,4599.26 ; 740.99,4599.26 ccw(c714.27,4625.98) 752.06,4625.98 cw(c714.27,4625.98) 740.99,4599.26
  Bottom Layer w12: v1(-1471.26,4048.22) -1465.45,4042.41 -953,4042.41 -947.19,4048.22 -931.22,4048.22 cw(c-931.22,4024.41) v1(-907.41,4024.41) ; v1@-1467.39,4043.89 cw(c-1460.18,4035.81) -1454.77,4045.18 ; v1@-1467.39,4043.89 cw(c-1460.18,4035.81) -1454.77,4045.18 ; v1@-1467.39,4043.89 cw(c-1460.18,4035.81) -1454.77,4045.18 ; v1@-1467.15,4052.33 ccw(c-1443.2,4076.28) -1443.2,4042.41 ; v1@-1467.15,4052.33 ccw(c-1443.2,4076.28) -1443.2,4042.41 ; v1@-1467.15,4052.33 ccw(c-1443.2,4076.28) -1443.2,4042.41 ; v1@-912.14,4027.78 ccw(c-920.41,4033.68) -910.6,4036.31 ; v1@-912.14,4027.78 ccw(c-920.41,4033.68) -910.6,4036.31 ; v1@-912.14,4027.78 ccw(c-920.41,4033.68) -910.6,4036.31 ; -910.6,4036.31 ccw(c-900.78,4038.95) v1@-904.99,4029.7 ; -910.6,4036.31 ccw(c-900.78,4038.95) v1@-904.99,4029.7 ; -910.6,4036.31 ccw(c-900.78,4038.95) v1@-904.99,4029.7
SFP6TX_N: J2.F5 J5C.19 | length 7913.3
  Top Layer w12: J5C.19@-4590.14,1638.83 -4554.35,1638.83 -4547.61,1632.08 -2219.18,1632.08 ccw(c-2219.18,1732.08) -2148.47,1661.37 -2050.79,1759.06 ccw(c-2121.5,1829.77) -2021.5,1829.77 -2021.5,3707 cw(c-1887.59,3707) -1982.28,3801.69 -1678.07,4105.89 cw(c-1595.34,4023.16) -1595.34,4140.16 -925.89,4140.16 v1(-920.08,4145.97) ; -948.14,4140.16 ccw(c-948.14,4174.03) v1@-924.19,4150.08 ; -948.14,4140.16 ccw(c-948.14,4174.03) v1@-924.19,4150.08 ; -948.14,4140.16 ccw(c-948.14,4174.03) v1@-924.19,4150.08 ; -936.56,4142.93 cw(c-931.15,4133.56) v1@-923.95,4141.63 ; -936.56,4142.93 cw(c-931.15,4133.56) v1@-923.95,4141.63 ; -936.56,4142.93 cw(c-931.15,4133.56) v1@-923.95,4141.63
  Bottom Layer w12: v1(-920.08,4145.97) -914.27,4140.16 -590.11,4140.16 ccw(c-590.11,4240.16) -519.39,4169.45 -137.86,4550.99 cw(c-54.69,4467.82) -54.69,4585.43 3.11,4585.43 ccw(c3.11,4595.28) 12.95,4595.28 ; 12.95,4595.47 cw(c22.01,4595.47) 22.01,4604.52 33.62,4604.52 cw(c33.62,4595.47) 42.68,4595.47 ccw(c52.71,4595.47) 52.71,4585.43 64.14,4585.43 ccw(c64.14,4595.47) 74.17,4595.47 cw(c83.23,4595.47) 83.23,4604.52 94.84,4604.52 cw(c94.84,4595.47) 103.9,4595.47 ccw(c113.93,4595.47) 113.93,4585.43 125.55,4585.43 ccw(c125.55,4595.47) 135.59,4595.47 cw(c144.65,4595.47) 144.65,4604.53 156.26,4604.53 cw(c156.26,4595.47) 165.31,4595.47 ccw(c175.35,4595.47) 175.16,4585.43 470.04,4585.43 ccw(c470.04,4635.91) 505.73,4600.22 ; J2.F5@531.5,4625.98 505.73,4600.22 ; v1@-916.21,4141.63 cw(c-909,4133.56) -903.59,4142.93 ; v1@-916.21,4141.63 cw(c-909,4133.56) -903.59,4142.93 ; v1@-916.21,4141.63 cw(c-909,4133.56) -903.59,4142.93 ; v1@-915.97,4150.08 ccw(c-892.02,4174.03) -892.02,4140.16 ; v1@-915.97,4150.08 ccw(c-892.02,4174.03) -892.02,4140.16 ; v1@-915.97,4150.08 ccw(c-892.02,4174.03) -892.02,4140.16 ; 505.73,4600.22 cw(c530.19,4575.76) 531.09,4610.34 ccw(c530.19,4575.76) 505.73,4600.22 ; 505.73,4600.22 ccw(c481.27,4624.67) 515.85,4625.58 cw(c481.27,4624.67) 505.73,4600.22
SFP6TX_P: J2.E5 J5C.18 | length 7919
  Top Layer w12: J5C.18@-4590.14,1607.33 -4554.35,1607.33 -4547.61,1614.08 -2218.39,1614.08 ccw(c-2218.39,1730.17) -2136.31,1648.08 -2037,1747.39 ccw(c-2117.89,1828.27) -2003.5,1828.27 -2003.5,3706.13 cw(c-1885.5,3706.13) -1968.94,3789.57 -1665.64,4092.87 cw(c-1594.93,4022.16) -1594.93,4122.16 -925.89,4122.16 v1(-920.08,4116.35) ; -948.14,4122.16 cw(c-948.14,4088.29) v1@-924.19,4112.24 ; -948.14,4122.16 cw(c-948.14,4088.29) v1@-924.19,4112.24 ; -948.14,4122.16 cw(c-948.14,4088.29) v1@-924.19,4112.24 ; -936.56,4119.38 ccw(c-931.15,4128.75) v1@-923.95,4120.68 ; -936.56,4119.38 ccw(c-931.15,4128.75) v1@-923.95,4120.68 ; -936.56,4119.38 ccw(c-931.15,4128.75) v1@-923.95,4120.68
  Bottom Layer w12: v1(-920.08,4116.35) -914.27,4122.16 -589.84,4122.16 ccw(c-589.84,4239.53) -506.85,4156.53 -125.24,4538.14 cw(c-54.53,4467.43) -54.53,4567.43 490.58,4567.43 ccw(c490.58,4667.43) 561.29,4596.72 J2.E5@590.55,4625.98 ; v1@-916.21,4120.68 ccw(c-909,4128.75) -903.59,4119.38 ; v1@-916.21,4120.68 ccw(c-909,4128.75) -903.59,4119.38 ; v1@-916.21,4120.68 ccw(c-909,4128.75) -903.59,4119.38 ; v1@-915.97,4112.24 cw(c-892.02,4088.29) -892.02,4122.16 ; v1@-915.97,4112.24 cw(c-892.02,4088.29) -892.02,4122.16 ; v1@-915.97,4112.24 cw(c-892.02,4088.29) -892.02,4122.16 ; 563.83,4599.26 cw(c590.55,4572.54) 590.55,4610.33 ccw(c590.55,4572.54) 563.83,4599.26 ; 563.83,4599.26 ccw(c537.11,4625.98) 574.9,4625.98 cw(c537.11,4625.98) 563.83,4599.26